# Allegro board trx_layout.brd (continued)
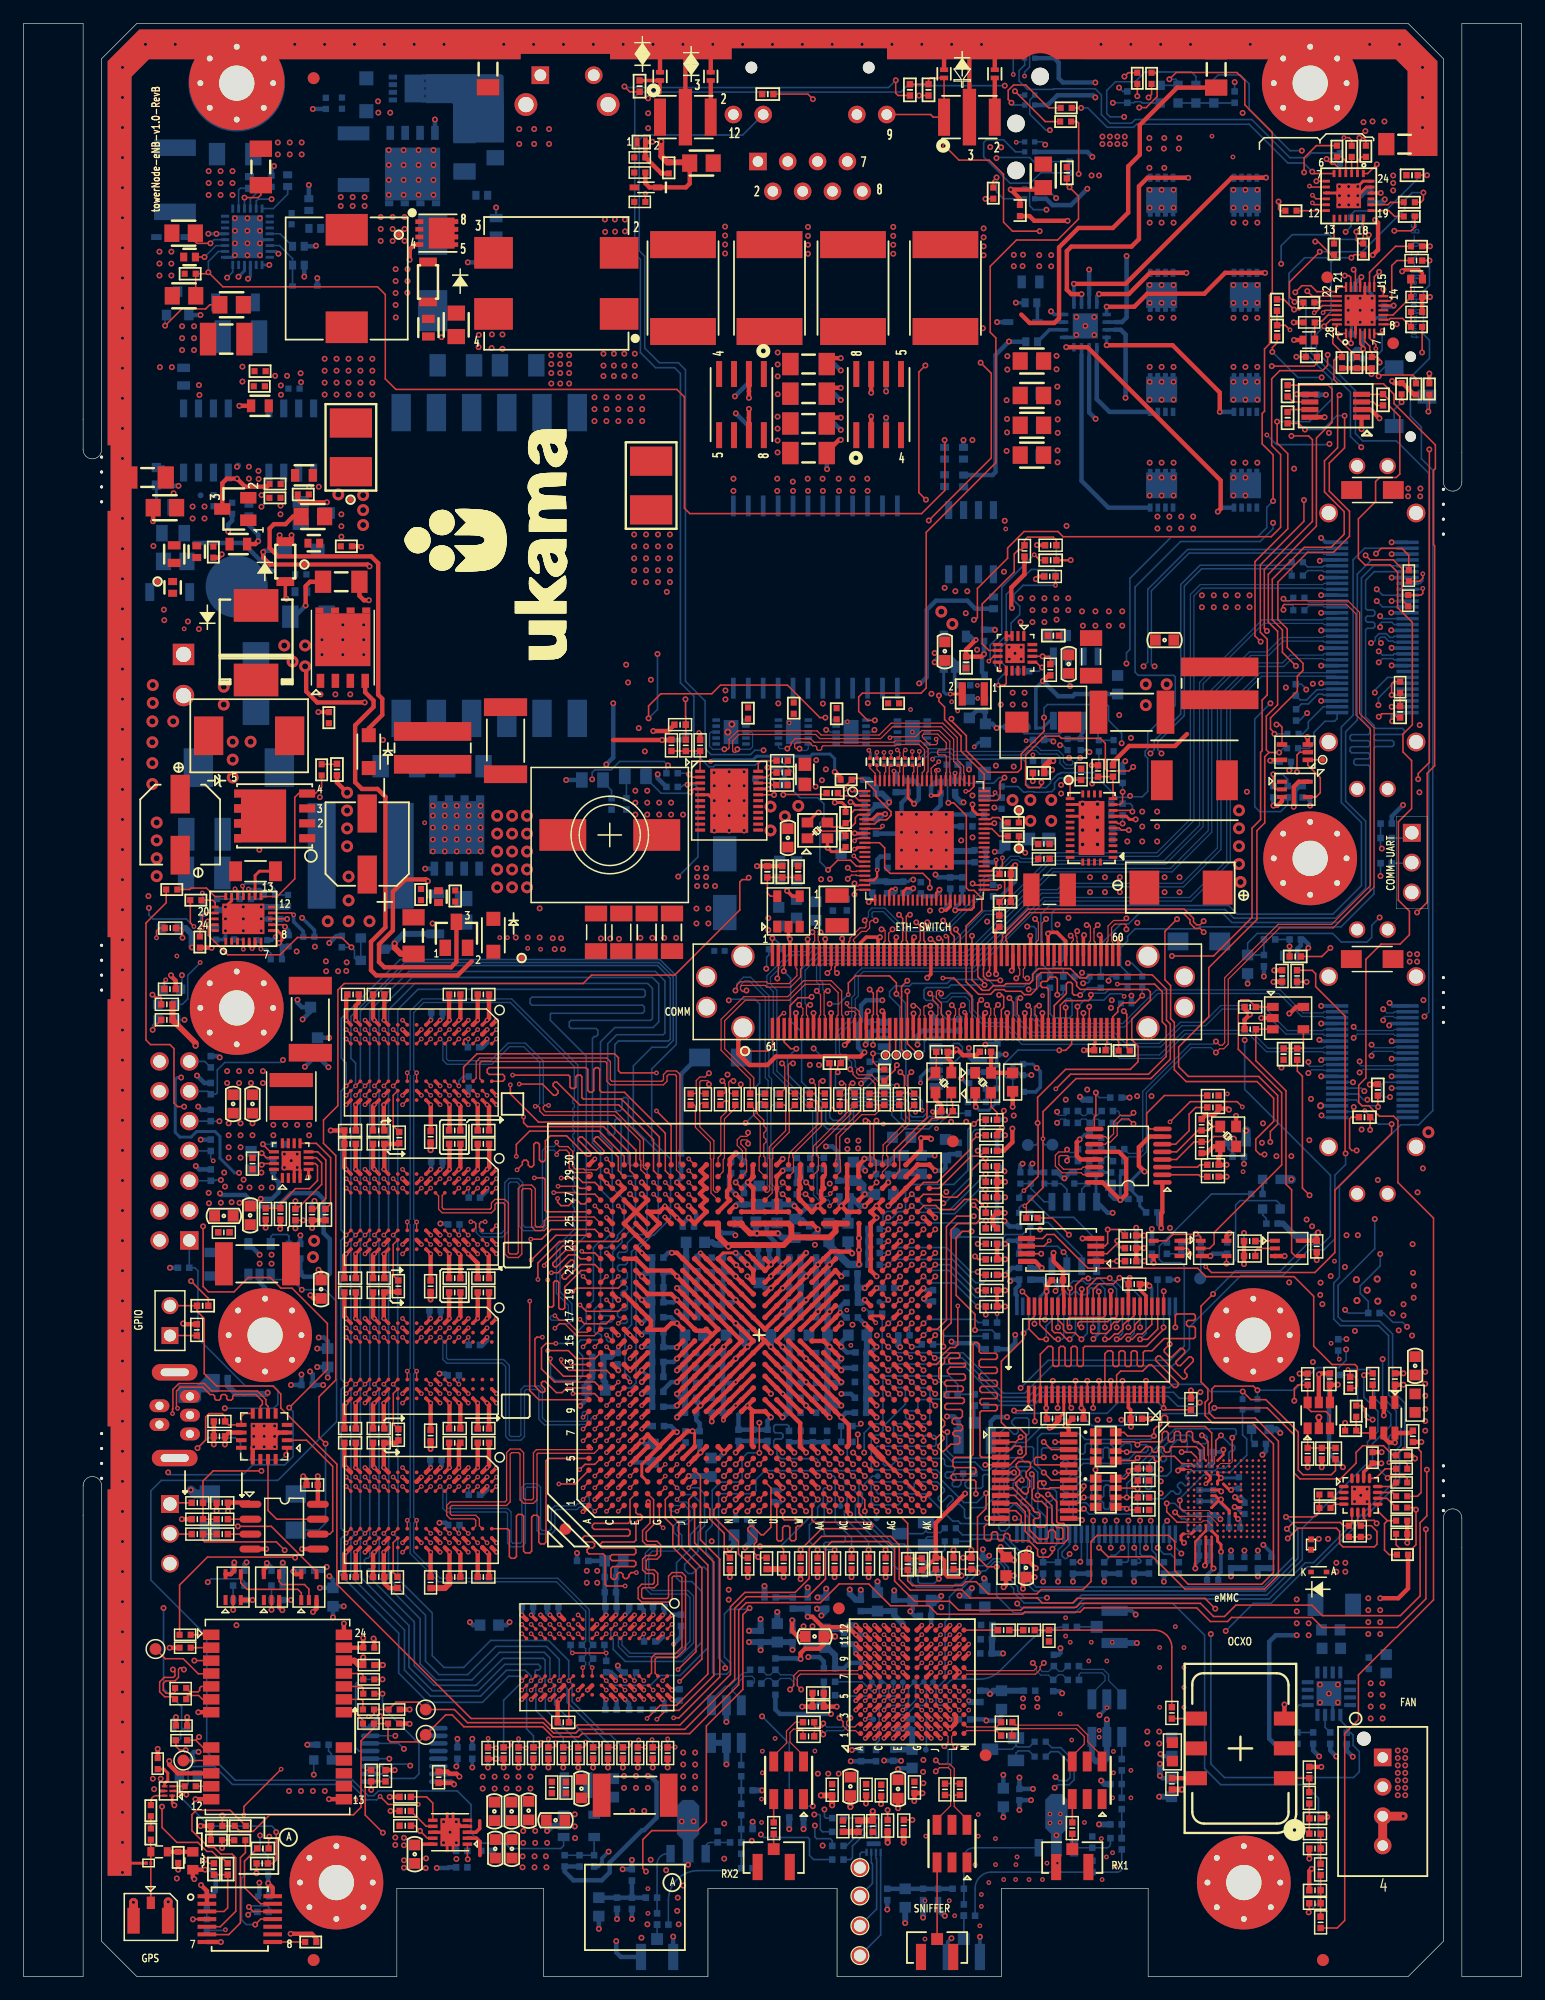
[diagram p0: board, top side]
## Placement (name value [footprint] x y rotation side) (continued)
C203  22uF/10V  [EIA-0603]  93.2 109.99 90 bottom
C204  0.1uF  [EIA-0402]  56.42 106.12 270 bottom
C206  0.1uF  [C0402]  107.5 103.43 0 bottom
C207  OPT  [CC1206]  37.64 103.05 0 bottom
C209  DNP  [EIA-0402]  93.63 102.11 270 bottom
C210  0.1uF  [EIA-0402]  108.97 100.88 270 bottom
C211  1uF  [EIA-0402]  106.47 100.88 270 bottom
C212  22uF  [CC1210]  15.42 97.26 180 bottom
C213  22uF  [CC1210]  15.39 93.96 180 bottom
C214  0.1uF  [EIA-0402]  51.36 99.84 270 bottom
C215  2.2nF  [EIA-0402]  50.09 99.84 270 bottom
C220  2.2uF  [EIA-0402]  93.15 98.87 0 bottom
C222  0.47uF  [EIA-0402]  92.76 97.28 270 bottom
C225  22uF/10V  [EIA-0603]  64.41 94.19 270 bottom
C226  22uF/10V  [EIA-0603]  65.86 94.14 270 bottom
C231  220uF/10V  [ELC-SMD6_3]  59.74 93.09 270 bottom
C235  DNP  [EIA-0402]  108.33 88.3 0 bottom
C236  10UF  [SMC1206]  98.35 88.14 270 bottom
C237  0.1UF  [SMC0402A]  59.73 87.33 90 bottom
C238  10uF  [EIA-0603]  104.28 86.19 270 bottom
C239  10uF  [EIA-0603]  24.45 83.32 270 bottom
C240  0.1UF  [SMC0402A]  93.49 82.85 270 bottom
C241  10uF  [EIA-0603]  25.05 79.15 270 bottom
C242  10UF  [SMC1206]  57.59 78.25 270 bottom
C243  0.1uF  [EIA-0402]  64.22 74.69 270 bottom
C244  0.1uF  [EIA-0402]  62.95 74.69 270 bottom
C245  10nF  [EIA-0402]  89.34 73.69 180 bottom
C246  10nF  [EIA-0402]  89.34 72.68 180 bottom
C247  0.1uF  [EIA-0402]  21.79 70.87 0 bottom
C248  0.1uF  [EIA-0402]  79.66 70.51 270 bottom
C249  10uF  [EIA-0603]  78.54 70.48 270 bottom
C250  10nF  [EIA-0402]  93.29 70.44 0 bottom
C251  0.1uF  [EIA-0402]  56.02 69.61 90 bottom
C252  10uF  [EIA-0603]  19.38 69.47 90 bottom
C253  10nF  [EIA-0402]  93.29 69.42 0 bottom
C254  0.1uF  [EIA-0402]  35.21 69.37 0 bottom
C255  0.1uF  [EIA-0402]  68.18 69.23 270 bottom
C256  0.1uF  [EIA-0402]  67.03 69.23 270 bottom
C257  10uF  [EIA-0603]  74.94 69.12 90 bottom
C258  0.1uF  [EIA-0402]  73.64 68.81 90 bottom
C259  0.1uF  [EIA-0402]  69.4 68.25 90 bottom
C260  10uF  [EIA-0603]  93.38 67.36 0 bottom
C261  10uF  [EIA-0603]  73.31 66.59 0 bottom
C262  10uF  [EIA-0603]  62.67 66.53 90 bottom
C263  0.1uF  [EIA-0402]  69.98 66.42 180 bottom
C264  0.1uF  [EIA-0402]  61.37 66.22 90 bottom
C266  3.3nF  [EIA-0402]  24.56 64.87 90 bottom
C267  DNP  [EIA-0402]  23.16 64.87 270 bottom
C268  10uF  [EIA-0603]  17.07 64.76 0 bottom
C269  0.1uF  [EIA-0402]  56.64 63.86 180 bottom
C270  10uF  [EIA-0603]  65.72 63.71 90 bottom
C271  0.1uF  [EIA-0402]  66.94 63.4 90 bottom
C272  0.1uF  [EIA-0402]  17.07 63.36 0 bottom
C273  10uF  [EIA-0603]  70.24 63.35 270 bottom
C274  0.1uF  [EIA-0402]  59.29 62.82 90 bottom
C275  0.1uF  [EIA-0402]  102.54 62.03 270 bottom
C276  1uF  [EIA-0402]  98.62 62.02 90 bottom
C277  0.1uF  [EIA-0402]  96.13 62.02 90 bottom
C278  0.1uF  [EIA-0402]  63.05 61.98 0 bottom
C279  0.1uF  [EIA-0402]  68 61.22 180 bottom
C280  0.1uF  [EIA-0402]  65.72 61.22 0 bottom
C281  0.1uF  [EIA-0402]  59.11 61.22 180 bottom
C282  0.1uF  [EIA-0402]  56.93 61.22 0 bottom
C283  0.1uF  [EIA-0402]  54.03 61.22 0 bottom
C284  20pF  [EIA-0402]  23.1 61.13 180 bottom
C286  0.1uF  [EIA-0402]  85.3 60.33 180 bottom
C287  0.1uF  [EIA-0402]  56.93 60.05 0 bottom
C288  0.1uF  [EIA-0402]  68 59.95 180 bottom
C289  0.1uF  [EIA-0402]  65.72 59.95 0 bottom
C290  0.1uF  [EIA-0402]  59.11 59.95 180 bottom
C291  0.1uF  [EIA-0402]  54.03 59.95 0 bottom
C292  0.1uF  [EIA-0402]  70.56 59.87 180 bottom
C293  10uF  [EIA-0603]  62.67 59.85 270 bottom
C294  0.1uF  [EIA-0402]  85.3 59.33 0 bottom
C295  0.1uF  [C0402]  87.61 59.11 180 bottom
C296  0.1uF  [EIA-0402]  68 58.68 180 bottom
C297  0.1uF  [EIA-0402]  65.72 58.68 0 bottom
C298  0.1uF  [EIA-0402]  59.11 58.68 180 bottom
C299  0.1uF  [EIA-0402]  54.03 58.68 0 bottom
C302  0.1uF  [EIA-0402]  70.56 58.65 180 bottom
C303  0.1uF  [EIA-0402]  56.93 58.61 0 bottom
C304  0.1uF  [EIA-0402]  77.47 57.96 90 bottom
C305  0.1uF  [EIA-0402]  68 57.41 180 bottom
C306  0.1uF  [EIA-0402]  65.72 57.41 0 bottom
C307  0.1uF  [EIA-0402]  59.11 57.41 180 bottom
C308  0.1uF  [EIA-0402]  56.93 57.41 0 bottom
C309  0.1uF  [EIA-0402]  54.03 57.41 0 bottom
C310  0.1uF  [EIA-0402]  70.6 57.38 180 bottom
C311  0.1uF  [EIA-0402]  35.06 56.72 0 bottom
C312  0.1uF  [EIA-0402]  68 56.14 180 bottom
C313  0.1uF  [EIA-0402]  65.72 56.14 0 bottom
C314  0.1uF  [EIA-0402]  59.11 56.14 180 bottom
C315  0.1uF  [EIA-0402]  56.93 56.14 0 bottom
C316  0.1uF  [EIA-0402]  54.03 56.14 0 bottom
C317  0.1uF  [EIA-0402]  70.6 56.11 180 bottom
C318  0.1uF  [EIA-0402]  54.03 54.87 0 bottom
C319  10uF  [EIA-0603]  64.45 54.65 180 bottom
C320  10uF  [EIA-0603]  71.05 54.61 180 bottom
C321  10uF  [EIA-0603]  67.7 54.61 180 bottom
C322  10uF  [EIA-0603]  60.64 54.61 180 bottom
C323  10uF  [EIA-0603]  57.13 54.61 0 bottom
C324  0.1uF  [EIA-0402]  54.03 53.6 0 bottom
C325  0.1uF  [EIA-0402]  82.45 53.42 180 bottom
C326  0.1uF  [EIA-0402]  71.36 53.14 180 bottom
C327  0.1uF  [EIA-0402]  68 53.09 180 bottom
C328  0.1uF  [EIA-0402]  65.72 53.09 0 bottom
C329  0.1uF  [EIA-0402]  59.11 53.09 180 bottom
C330  0.1uF  [EIA-0402]  56.83 53.09 0 bottom
C331  10uF  [EIA-0603]  25.92 52.68 270 bottom
C332  0.1uF  [EIA-0402]  54.03 52.33 0 bottom
C333  0.1uF  [EIA-0402]  71.31 51.82 180 bottom
C334  0.1uF  [EIA-0402]  68 51.82 180 bottom
C335  0.1uF  [EIA-0402]  65.72 51.82 0 bottom
C336  0.1uF  [EIA-0402]  59.11 51.82 180 bottom
C337  0.1uF  [EIA-0402]  56.83 51.82 0 bottom
C338  0.1uF  [EIA-0402]  48.93 51.49 180 bottom
C339  0.1uF  [EIA-0402]  54.03 51.06 0 bottom
C340  0.1uF  [EIA-0402]  71.31 50.62 180 bottom
C341  0.1uF  [EIA-0402]  68 50.55 180 bottom
C342  0.1uF  [EIA-0402]  65.72 50.55 0 bottom
C343  0.1uF  [EIA-0402]  59.11 50.55 180 bottom
C344  0.1uF  [EIA-0402]  56.83 50.55 0 bottom
C345  10uF  [EIA-0603]  48.78 49.94 180 bottom
C346  0.1uF  [EIA-0402]  54.03 49.79 0 bottom
C347  0.1uF  [EIA-0402]  71.31 49.28 180 bottom
C348  0.1uF  [EIA-0402]  68 49.28 180 bottom
C349  0.1uF  [EIA-0402]  65.72 49.28 0 bottom
C350  0.1uF  [EIA-0402]  59.11 49.28 180 bottom
C351  0.1uF  [EIA-0402]  56.83 49.28 0 bottom
C352  0.1uF  [EIA-0402]  54.03 48.52 0 bottom
C353  0.1uF  [EIA-0402]  71.31 48.01 180 bottom
C354  0.1uF  [EIA-0402]  68 48.01 180 bottom
C355  0.1uF  [EIA-0402]  65.72 48.01 0 bottom
C356  0.1uF  [EIA-0402]  59.11 48.01 180 bottom
C357  0.1uF  [EIA-0402]  56.83 48.01 0 bottom
C358  0.1uF  [EIA-0402]  54.08 46.87 180 bottom
C359  0.1uF  [EIA-0402]  63.38 46.08 90 bottom
C360  0.1uF  [EIA-0402]  62.17 46.08 90 bottom
C361  0.1uF  [EIA-0402]  60.9 46.08 90 bottom
C362  0.1uF  [EIA-0402]  68.46 45.98 90 bottom
C363  0.1uF  [EIA-0402]  67.24 45.98 90 bottom
C364  0.1uF  [EIA-0402]  66.21 45.98 90 bottom
C365  0.1uF  [EIA-0402]  57.6 45.95 90 bottom
C366  0.1uF  [EIA-0402]  56.4 45.95 90 bottom
C367  10uF  [EIA-0603]  53.65 44.55 270 bottom
C368  1UFX_16V  [C0402]  100.82 44.67 0 bottom
C369  0.1uF  [EIA-0402]  35.14 44 0 bottom
C370  0.1uF  [C0402]  100.66 43.54 0 bottom
C371  10uF  [EIA-0603]  58.58 43.36 90 bottom
C372  0.1uF  [C0402]  103.53 42.04 270 bottom
C373  0.1uF  [EIA-0402]  63.95 40.87 90 bottom
C374  0.1uF  [C0402]  101.35 40.94 270 bottom
C375  0.1uF  [C0402]  100.18 40.94 270 bottom
C376  0.1uF  [C0402]  103.18 38.23 180 bottom
C377  0.1uF  [C0402]  104.02 39.86 90 bottom
C378  0.1uF  [EIA-0402]  61.16 38.91 0 bottom
C379  0.1uF  [C0402]  100.61 36.98 0 bottom
C380  10uF  [EIA-0603]  61.32 37.59 0 bottom
C381  0.1uF  [C0402]  101.3 33.76 0 bottom
C382  0.1uF  [C0402]  100.61 35.84 0 bottom
C383  10uF  [EIA-0603]  50.3 35.38 0 bottom
C384  0.1uF  [C0402]  106.29 35.25 270 bottom
C385  0.1uF  [C0402]  105.15 35.25 270 bottom
C386  0.1uF  [C0402]  104 35.25 270 bottom
C387  0.1uF  [C0402]  102.86 35.25 270 bottom
C388  0.1uF  [EIA-0402]  21.61 34.55 0 bottom
C389  0.1uF  [EIA-0402]  18.34 34.55 0 bottom
C390  0.1uF  [EIA-0402]  24.29 34.54 0 bottom
C391  0.1uF  [EIA-0402]  49.99 34.01 0 bottom
C392  0.1uF  [EIA-0402]  49.99 32.72 0 bottom
C393  10uF  [EIA-0603]  76.53 32.02 180 bottom
C394  10uF  [EIA-0603]  26.37 32.31 270 bottom
C395  1uF  [EIA-0402]  63.6 32.28 180 bottom
C396  10uF  [EIA-0603]  81.89 32.26 90 bottom
C397  1uF  [EIA-0402]  18.34 32.06 0 bottom
C398  10uF  [EIA-0603]  72.75 31.9 90 bottom
C399  1000pF  [EIA-0402]  66.8 31.8 270 bottom
C400  100uF/6.3V  [EIA-1206]  111.66 31.65 0 bottom
C401  0.1uF  [EIA-0402]  74.17 31.6 90 bottom
C402  0.1uF  [EIA-0402]  54.11 31.47 0 bottom
C403  0.1uF  [EIA-0402]  52.08 31.47 0 bottom
C404  0.1uF  [EIA-0402]  50.05 31.47 0 bottom
C405  0.1uF  [EIA-0402]  45.09 31.47 0 bottom
C406  0.1uF  [EIA-0402]  42.93 31.47 180 bottom
C407  0.1uF  [EIA-0402]  76.84 30.71 180 bottom
C408  0.1uF  [EIA-0402]  56.01 30.33 270 bottom
C409  1000pF  [EIA-0402]  82.05 29.93 180 bottom
C410  10uF  [EIA-0603]  39.68 29.92 180 bottom
C411  22uF/10V  [EIA-0603]  111.36 29.51 0 bottom
C412  10uF  [EIA-0603]  64.21 29.26 90 bottom
C413  0.1uF  [EIA-0402]  65.51 28.95 90 bottom
C414  10uF  [EIA-0603]  68.28 28.8 90 bottom
C415  0.1uF  [EIA-0402]  69.9 28.79 90 bottom
C416  1000pF  [EIA-0402]  82.02 28.71 180 bottom
C417  22uF/10V  [EIA-0603]  111.41 27.94 0 bottom
C418  0.1uF  [EIA-0402]  81.98 27.51 0 bottom
C419  3.3pF  [EIA-0402]  48.05 27.06 180 bottom
C420  0.1uF  [EIA-0402]  114.6 26.67 90 bottom
C421  10uF  [EIA-0603]  116.08 26.63 90 bottom
C422  33pF  [EIA-0402]  89.43 26.43 180 bottom
C423  0.1uF  [EIA-0402]  49.64 26.39 270 bottom
C424  0.1uF  [EIA-0402]  68.66 26.24 180 bottom
C425  33pF  [EIA-0402]  62.37 26.12 0 bottom
C426  33pF  [EIA-0402]  89.43 25.25 180 bottom
C427  33pF  [EIA-0402]  62.37 24.95 0 bottom
C428  0.1uF  [EIA-0402]  55.89 23.98 270 bottom
C429  0.1uF  [EIA-0402]  81.51 23.85 270 bottom
C430  10uF  [EIA-0603]  83.31 23.55 270 bottom
C431  0.1uF  [EIA-0402]  54.11 22.71 0 bottom
C432  0.1uF  [EIA-0402]  52.08 22.71 180 bottom
C433  0.1uF  [EIA-0402]  50.05 22.71 0 bottom
C434  0.1uF  [EIA-0402]  80.17 21.89 0 bottom
C435  0.1uF  [EIA-0402]  75.69 21.44 90 bottom
C436  10nF  [EIA-0402]  111.32 20.3 90 bottom
C437  10uF  [EIA-0603]  97.82 19.55 270 bottom
C438  0.1uF  [EIA-0402]  38.23 19.03 90 bottom
C439  0.1uF  [EIA-0402]  36.96 19.03 90 bottom
C440  10uF  [EIA-0603]  75.69 18.54 270 bottom
C441  0.1uF  [C0402]  13.92 18.41 180 bottom
C442  100pF  [EIA-0402]  93.56 18.03 90 bottom
C443  100pF  [EIA-0402]  61.15 17.53 90 bottom
C444  DNP  [EIA-0402]  93.08 16.38 180 bottom
C445  10uF  [EIA-0603]  97.8 16.1 270 bottom
C446  10uF  [EIA-0603]  50.25 16.06 270 bottom
C447  DNP  [EIA-0402]  61.63 15.85 0 bottom
C448  10uF  [EIA-0603]  83.47 15.24 270 bottom
C449  10uF  [EIA-0603]  41.59 14.06 270 bottom
C450  10uF  [EIA-0603]  40.11 14.06 270 bottom
C451  DNP  [EIA-0402]  93.08 12.95 180 bottom
C452  DNP  [EIA-0402]  61.63 12.55 0 bottom
C453  0  [EIA-0402]  93.07 11.78 0 bottom
C454  0  [EIA-0402]  60.67 11.41 0 bottom
C455  20pF  [EIA-0402]  47.37 9.84 90 bottom
C456  1000pF  [EIA-0402]  37.34 9.3 180 bottom
C458  100pF  [EIA-0402]  77.9 6.99 90 bottom
C459  0.1uF  [EIA-0402]  76.63 6.99 90 bottom
C461  10uF  [EIA-0603]  75.11 6.68 270 bottom
C462  0.1uF  [EIA-0402]  51.83 6.23 90 bottom
C463  100pF  [EIA-0402]  50.56 6.23 90 bottom
C464  10uF  [EIA-0603]  49.01 5.93 270 bottom
C465  33pF  [EIA-0402]  80.1 5.66 90 bottom
C466  33pF  [EIA-0402]  53.97 4.9 90 bottom
C600  20pF  [EIA-0402]  64.64 94.07 270 top
C601  10uF  [EIA-0603]  64.34 90.24 90 bottom
C602  10uF  [EIA-0603]  67.51 90.73 270 bottom
C603  10uF  [EIA-0603]  65.86 90.92 270 bottom
C604  0.1uF  [EIA-0402]  68.95 91.25 270 bottom
C605  0.1uF  [EIA-0402]  70.14 91.26 270 bottom
C606  0.1uF  [CC0402]  20.46 6.82 0 bottom
C607  1uF  [CC0402]  114.73 151.47 270 bottom
C608  100nF  [C0201]  75.71 103.44 90 top
C609  100nF  [C0201]  73.9 103.44 90 top
C610  100nF  [C0201]  76.31 103.44 90 top
C611  100nF  [C0201]  74.5 103.44 90 top
C612  100nF  [C0201]  72.1 103.44 90 top
C613  100nF  [C0201]  72.7 103.44 90 top
C614  100nF  [C0201]  75.1 103.44 90 top
C615  100nF  [C0201]  73.3 103.44 90 top
C616  27pF  [C0402]  70.03 98.68 90 top
C617  27pF  [C0402]  70.03 96.65 270 top
C618  1uF  [EIA-0402]  73.6 94.87 270 bottom
C619  0.1uF  [EIA-0402]  72.14 99.72 0 bottom
C620  10uF  [EIA-0603]  65.61 101.62 180 bottom
C621  0.1uF  [EIA-0402]  73.57 92.71 90 bottom
C622  0.1uF  [EIA-0402]  75.32 101.33 270 bottom
C623  0.1uF  [EIA-0402]  76.43 92.7 90 bottom
C624  10uF  [EIA-0603]  83.6 97.1 270 bottom
C625  0.1uF  [EIA-0402]  81.5 94.88 180 bottom
C626  0.1uF  [EIA-0402]  74.95 92.74 90 bottom
C627  0.1uF  [EIA-0402]  78.12 101.23 270 bottom
C628  1uF  [EIA-0402]  79.97 93.11 90 bottom
C629  0.1uF  [EIA-0402]  72.14 97.32 0 bottom
C630  10uF  [EIA-0603]  69.65 96.39 270 bottom
C631  0.1uF  [EIA-0402]  81.35 98.94 180 bottom
C632  0.1uF  [EIA-0402]  72.3 92.77 90 bottom
C633  0.1uF  [EIA-0402]  79.36 101.33 270 bottom
C634  0.1uF  [EIA-0402]  80.18 109.95 180 bottom
C635  10uF  [EIA-0603]  81.95 105.87 90 bottom
C636  10uF  [EIA-0603]  78.48 112.85 270 top
C637  20pF  [EIA-0402]  80.29 111.9 90 top
C638  0.1uF  [EIA-0402]  81.9 108.27 270 bottom
C639  10uF  [EIA-0603]  80.57 107.95 270 bottom
C640  0.1uF  [EIA-0402]  80.36 97.93 180 bottom
C641  0.1uF  [EIA-0402]  81.49 95.89 180 bottom
C642  1uF  [EIA-0402]  74.3 101.32 270 bottom
C643  0.1uF  [EIA-0402]  78.94 93.11 90 bottom
C644  0.1uF  [EIA-0402]  72.19 98.55 180 bottom
C645  1uF  [C0402]  17.94 88.77 90 bottom
C646  1uF  [C0402]  16.41 88.76 270 bottom
C647  1uF  [C0402]  22.6 88.19 270 bottom
C648  0.01uF  [C0402]  26.01 107.19 90 top
C649  47uF  [CAPAE680X570]  29.28 96.43 90 top
C650  0.1uF  [C0402]  85.14 77.22 270 bottom
C651  0.1uF  [C0402]  82.98 78.97 90 bottom
C652  0.1uF  [C0201]  85.94 106.31 0 bottom
C653  DNP  [EIA-0402]  26.7 102.77 270 top
C654  1000pF  [EIA-0402]  27.12 88.12 270 bottom
C655  DNP  [EIA-0402]  93.56 11.3 90 bottom
C656  DNP  [EIA-0402]  80.58 5.18 0 bottom
C657  DNP  [EIA-0402]  61.15 10.93 90 bottom
C658  DNP  [EIA-0402]  54.45 4.42 0 bottom
CON1  RECE.20279.001E.01  [SM_3_CON_I-PEX_20279_50H]  10.85 4.62 180 top
D1  PESD3V3X1BL,315  [DFN98X58X50-2N_NXP]  78.42 162 90 top
D2  PESD3V3X1BL,315  [DFN98X58X50-2N_NXP]  82.74 162 90 top
D3  PESD3V3X1BL,315  [DFN98X58X50-2N_NXP]  54.22 161.79 90 top
D4  PESD3V3X1BL,315  [DFN98X58X50-2N_NXP]  58.54 161.78 90 top
D5  PESD3V3X1BL,315  [SOD882_2P_0_62X1_02_0_50MM]  52.63 156.2 0 top
D6  RB751S40T5G  [SOD523F_2P_1_30X0_90_0_70MM]  53.03 152.34 180 top
D7  PTVS58VS1UR  [SOD123]  34.46 144.28 0 top
D8  ZR431F01TA  [SOT23]  18.05 124.95 90 top
D9  CMHZ4700  [SOD123]  22.3 120.47 0 top
D12  PMEG6010ER  [SOD123F_2P8_1P95X2P95_1P1]  29.41 104.29 270 top
D13  CMMSH1-100  [SOD123F_2P8_1P95X2P95_1P1]  40.03 88.66 270 top
D14  RB751S40  [SODFL1608X70N_B]  110.34 34.44 180 top
D15  ESD101B102ELSE6327XTSA1  [ESD_DIO_2P_0_67X0_37_0_32MM]  10.66 9.65 270 top
D16  CMMSH1-40L  [SOD123F_2P8_1P95X2P95_1P1]  29.21 160.22 90 bottom
D17  BAV19WS  [SOD2513X110N_A]  12.57 148.11 180 bottom
D18  BAT54WS  [SOD323_2P11_1P8X1P4]  23.97 143.94 0 bottom
D19  PTVS58VS1UR  [SOD123]  18.06 142.54 90 bottom
D20  MMSZ5252BS-7-F  [SOD2513X120N_A]  85.12 140.87 0 bottom
D21  CMMSH1-100  [SOD123F_2P8_1P95X2P95_1P1]  23.66 121.4 180 bottom
D22  CMHZ5236B  [SOD123]  12.46 117.88 90 bottom
D24  LED/DNP  [LED_LTST-C190]  11.32 127.73 90 bottom
D26  CMHZ5236B  [SOD123]  35.08 90.47 180 bottom
D27  B530C-13-F  [B530C_13_F]  18.35 102.93 180 bottom
D28  SMBJ16CA  [DIOM5436X261N_LF_BI]  19.8 110.09 270 bottom
D29  B530C-13-F  [B530C_13_F]  19.23 105.65 0 top
E1  PAD150-094  [SMD20-A]  15.09 126.12 180 bottom
F1  0ZCF0100AF2A  [FUSER_0ZCF0100AF2A]  56.18 143.76 270 top
F2  0ZCF0100AF2A  [FUSER_0ZCF0100AF2A]  63.55 143.76 270 top
F3  0ZCF0100AF2A  [FUSER_0ZCF0100AF2A]  70.66 143.76 90 top
F4  0ZCF0100AF2A  [FUSER_0ZCF0100AF2A]  78.54 143.76 270 top
F5  0ZCM0010FF2G  [F0603]  11.55 10.62 180 top
F6  0ZCF0100AF2A  [FUSER_0ZCF0100AF2A]  78.54 143.76 90 bottom
F7  0ZCF0100AF2A  [FUSER_0ZCF0100AF2A]  70.66 143.76 90 bottom
F8  0ZCF0100AF2A  [FUSER_0ZCF0100AF2A]  63.55 143.76 90 bottom
F9  0ZCF0100AF2A  [FUSER_0ZCF0100AF2A]  56.18 143.76 90 bottom
FB1  120E / 2A  [SM_2_IND_BLM18P_40H]  14.43 9.86 270 top
FB4  120E / 2A  [SM_2_IND_BLM18P_40H]  14.05 17.09 0 bottom
FB18  33E  [INDC1608X95M]  66.57 102.35 90 top
FB19  33E  [INDC1608X95M]  86.48 96.85 0 bottom
FB20  33E  [INDC1608X95M]  81.87 101.57 90 bottom
H1  HOLE-3.5MM  [HOLE-1]  18.17 161.21 0 top
H2  HOLE-3.5MM  [HOLE-1]  109.61 161.21 0 top
H3  HOLE-3.5MM  [HOLE-1]  109.61 95.21 0 top
H4  HOLE-3.5MM  [HOLE-1]  18.17 82.47 0 top
H5  HOLE-3.5MM  [HOLE-1]  20.58 54.61 0 top
H6  HOLE-3.5MM  [HOLE-1]  104.76 54.61 0 top
H7  HOLE-3.5MM  [HOLE-1]  26.65 8 0 top
H8  HOLE-3.5MM  [HOLE-1]  103.95 8 0 top
J1  HEADER 4  [MOLEX_2078430004]  115.78 14.9 90 top
J3  HEADER 3X1-2.54mm/DNP  [SIP-3P]  118.27 94.84 270 top
J4  FX23-120P_COM  [CON_120P_39_00X9_02_13_01MM_SOC]  78.54 83.83 90 top
J5  HEADER 7X2  [HDR7X2]  14.13 62.67 90 top
J6  HEADER 2X1-2.54MM  [SIP-2P]  12.48 54.58 90 top
J7  MINI-USB TYPE A/B CON  [MOLEX_5000751517]  14.18 49.4 270 bottom
J8  HEADER 3X1-2.54mm/DNP  [SIP-3P]  12.48 37.69 270 bottom
J9  U.FL  [CON-HRS-UFL]  63.91 10.85 180 top
J10  U.FL  [CON-HRS-UFL]  89.34 10.85 180 top
J11  U.FL  [CON-HRS-UFL]  77.83 3.19 180 top
J12  RJ45_CONN  [AMPHENOL_MRJ-5384-M1]  62.56 154.54 0 bottom
J13  FX23-60P_DEBUG  [CON_60P_29_00X9_02_13_01MM_P]  114.9 109.86 180 bottom
J16  FX23L-40-P-0.5SV10  [CON_40P_24_05X9_02_13_01MM_P]  114.9 77.89 180 bottom
J17  U.FL  [CON-HRS-UFL]  81.03 47.15 0 bottom
J18  U.FL  [CON-HRS-UFL]  91.42 29.77 90 bottom
J19  U.FL  [CON-HRS-UFL]  80.1 3.19 0 bottom
J20  U.FL  [CON-HRS-UFL]  53.97 3.19 0 bottom
J21  0395011002  [CONN_3P5_8P4X6P9_9P2_2N]  13.63 112.57 270 bottom
L1  4.7uH  [IND_B82464G4472M000]  27.53 144.58 270 top
L2  ACM1211-102-2PL-TL01  [FIL_ACM1211-102-2PL]  45.39 144.16 180 top
L3  1.5uH/5A  [D53LC]  86.87 106.8 0 top
L7  2.2uH  [IND_5P55_7P4X6P8_5P00]  99.75 101.85 0 top
L8  0.44uH  [L-1260X1260X600-2N]  49.94 97.2 270 top
L9  60OHM@100MHZ  [EIA-L0603]  84.26 76.16 270 top
L10  1.5uH/3A  [IND_VLCF4020]  22.81 74.93 90 top
L11  60OHM@100MHZ  [EIA-L0603]  118.54 48.82 90 top
L12  60OHM@100MHZ  [EIA-L0603]  83.69 34.92 90 top
L13  60OHM@100MHZ  [EIA-L0603]  97.87 19.13 90 top
L14  MPZ1005S121C  [EIA-0402]  75.9 16.1 90 top
L15  MPZ1005S121C  [EIA-0402]  68.89 15.9 90 top
L16  8.7nH  [INDC0402]  10.85 14.12 90 top
L17  100uH  [IND_DO1608C-104MLB]  12.9 152.98 270 bottom
L18  8.2uH  [IND_6P65_10P5X11P8_10P0]  28.73 95.43 180 bottom
L20  60OHM@100MHZ  [EIA-L0603]  74.81 71.45 180 bottom
L21  60OHM@100MHZ  [EIA-L0603]  76.49 69.12 90 bottom
L22  60OHM@100MHZ  [EIA-L0603]  70.68 68.56 90 bottom
L23  60OHM@100MHZ  [EIA-L0603]  64.19 64.95 270 bottom
L24  60OHM@100MHZ  [EIA-L0603]  61.6 64.24 180 bottom
L25  60OHM@100MHZ  [EIA-L0603]  68.61 63.35 270 bottom
L26  60OHM@100MHZ  [EIA-L0603]  57.23 62.51 180 bottom
L27  4.7uH/1.4A  [IND-2520]  16.52 60.65 270 bottom
L28  MPZ1005S121C  [EIA-0402]  81.23 35.65 180 bottom
L29  MPZ1005S121C  [EIA-0402]  80.47 31.95 270 bottom
L30  MPZ1005S121C  [EIA-0402]  68.38 31.8 270 bottom
L31  MPZ1005S121C  [EIA-0402]  71.33 31.6 270 bottom
L32  MPZ1005S121C  [EIA-0402]  62.79 28.96 270 bottom
L33  MPZ1005S121C  [EIA-0402]  66.73 28.5 270 bottom
L34  100nH  [EIA-0402]  87.77 26.91 90 bottom
L35  100nH  [EIA-0402]  64.05 26.6 90 bottom
L36  100nH  [EIA-0402]  87.72 24.77 270 bottom
L37  100nH  [EIA-0402]  64.05 24.47 270 bottom
L38  MPZ1005S121C  [EIA-0402]  85.7 24.33 180 bottom
L39  MPZ1005S121C  [EIA-0402]  74.09 18.85 90 bottom
L40  4.7uH/1.4A  [IND-2520]  47.08 16.29 180 bottom
L41  MPZ1005S121C  [EIA-0402]  84.84 15.49 90 bottom
L42  MPZ1005S121C  [EIA-0402]  93.56 14.73 270 bottom
L43  MPZ1005S121C  [EIA-0402]  61.15 14.22 270 bottom
L44  MPZ1005S121C  [EIA-0402]  51.83 8.65 90 bottom
L45  3.3nH  [EIA-0402]  79.62 7.47 180 bottom
L46  MPZ1005S121C  [EIA-0402]  73.58 6.99 270 bottom
L47  3.3nH  [EIA-0402]  53.49 6.71 180 bottom
L48  10uH/0.7A  [INDP290X270X170]  69.3 90.77 270 top
L50  6.8uH/1A  [IND270X220X120]  80.91 109.21 180 top
LED2  Blue/DNP  [LED-0603-12]  103.41 71.07 270 bottom
LED3  Blue  [LED-0603-12]  106.3 67.87 270 bottom
LED4  Red  [LED-0603-12]  106.3 65.35 270 bottom
LED5  GREEN  [LED-0603-12]  25.48 18.44 270 bottom
LED6  GREEN  [LED-0603-12]  105.36 46.59 270 bottom
LED7  Blue  [LED-0603-12]  12.64 84.07 270 bottom
LED8  Blue  [LED-0603-12]  12.2 82.77 270 bottom
LED9  Blue  [LED-0603-12]  12.22 81.46 270 bottom
LED10  GREEN  [LED-0603-12]  12.5 89.27 270 bottom
LED11  5977717507F  [LED_5977717507F]  85.71 157.78 270 bottom
LED19  GREEN  [LED-0603-12]  96.82 160.27 180 bottom
LED20  GREEN  [LED-0603-12]  98.35 160.27 180 bottom
LED21  GREEN  [LED-0603-12]  101.4 160.27 180 bottom
LED22  GREEN  [LED-0603-12]  99.87 160.27 180 bottom
LIP1  E-SMT-060  [SMD20-A]  27.86 125.74 0 top
LIP2  E-SMT-060  [SMD20-A]  11.42 118.78 0 top
NOREF  -  [unnamed]  120.95 83.15 90 top
NOREF#2  -  [#2]  31.8 0 0 top
NOREF#3  -  [unnamed]  6.65 127.47 270 top
NOREF#4  -  [unnamed]  6.65 85.9 270 top
NOREF#5  -  [#2]  6.65 163.29 0 top
NOREF#6  -  [unnamed]  6.65 44.32 270 top
NOREF#7  -  [unnamed#3]  24.72 1.4 0 top
NOREF#8  -  [unnamed]  120.95 41.57 90 top
NOREF#9  -  [unnamed]  120.95 124.72 90 top
NOREF#10  -  [unnamed#3]  24.72 161.64 0 top
NOREF#11  -  [#2]  83.3 0 0 top
NOREF#12  -  [unnamed#3]  110.69 1.4 0 top
NOREF#13  -  [#2]  9.65 0 90 top
NOREF#14  -  [unnamed#3]  110.69 1.4 180 bottom
NOREF#15  -  [unnamed#4]  84.54 153.78 90 bottom
NOREF#16  -  [unnamed#3]  24.72 161.64 180 bottom
NOREF#17  -  [unnamed#2]  18.17 118.34 180 bottom
NOREF#18  -  [unnamed#3]  24.72 1.4 180 bottom
NR1  100K  [CA_3_20X1_60_0_50MM]  92.19 45.13 0 top
NR2  100K  [CA_3_20X1_60_0_50MM]  92.19 41.19 0 top
Q1  CSD17556Q5B  [VSON127P610X510X105-8N]  21.4 98.82 180 top
Q6  TPN3300ANH,LQ  [MOSFET_TPN3300ANH]  35.3 148.44 0 top
Q11  BSC123N08NS3 G  [TRANS_BSC030P03NS3GAUMA1]  27.2 113.15 90 top
Q12  FMMT624  [SOT23]  36.88 88.7 0 top
Q14  TPN3300ANH,LQ  [TRANS_FDMC86102L]  32.87 160.76 0 bottom
Q16  BSC190N15NS3  [SON127P590X515X110-9N]  33.15 154.15 270 bottom
Q18  CSD18540Q5BT  [MOSFET_TPN3300ANH]  104.09 151.59 270 bottom
Q19  CSD18540Q5BT  [MOSFET_TPN3300ANH]  96.95 151.59 270 bottom
Q21  CSD18540Q5BT  [MOSFET_TPN3300ANH]  104.09 143.48 270 bottom
Q22  CSD18540Q5BT  [MOSFET_TPN3300ANH]  96.95 143.48 270 bottom
Q23  FMMT723  [SOT92P240X110-3N]  13.13 142.47 180 bottom
Q24  CSD18540Q5BT  [MOSFET_TPN3300ANH]  104.09 134.8 90 bottom
Q25  CSD18540Q5BT  [MOSFET_TPN3300ANH]  96.95 134.8 90 bottom
Q26  CSD18540Q5BT  [MOSFET_TPN3300ANH]  104.09 126.64 90 bottom
Q27  CSD18540Q5BT  [MOSFET_TPN3300ANH]  96.95 126.64 90 bottom
Q28  MMBT3904  [SOT23]  24.73 124.61 90 bottom
Q29  FMMT624  [SOT23]  12.74 123.99 180 bottom
Q30  BSC123N08NS3 G  [TRANS_BSC030P03NS3GAUMA1]  36.91 97.16 90 bottom
Q31  MMBT3904  [SOT23]  75.78 37.71 270 bottom
Q32  MMBT3904  [SOT23]  83.44 19.35 270 bottom
Q34  -  [SOT23_95P300X100X110]  29.73 87.47 90 bottom
R1  10K  [EIA-0402]  107.34 78.53 90 top
R2  0Ohm  [R0402]  108.51 120.42 0 bottom
R2N1  0  [SMR0402A]  105.12 49.16 180 bottom
R2N2  0  [SMR0402A]  103.85 49.16 180 bottom
R3  0Ohm  [R0402]  108.51 119.28 0 bottom
R4  0 OHM  [R0402]  113.06 46.48 180 top
R5  0Ohm/DNP  [R0402]  93.76 78.84 0 top
R6  0Ohm/DNP  [R0402]  113.53 48.14 90 top
R7  0  [EIA-0402]  15.27 57.12 180 top
R8  0/DNP  [EIA-0402]  108.51 78.54 270 top
R9  0  [EIA-0402]  114.23 73.17 0 top
R10  0  [EIA-0402]  108.33 86.85 180 top
R11  10K  [EIA-0402]  115.37 75.49 90 top
R16  120/DNP  [RC0805]  57.75 154.41 180 top
R18  10K  [R0402]  52.5 153.6 180 top
R19  120/DNP  [RC0805]  86.87 153.31 270 top
R22  0 OHM  [R0402]  52.5 151.1 0 top
R27  52.3  [RC0805]  13.64 148.44 0 top
R29  118  [RC0402]  14.15 146.41 0 top
R32  52.3k/DNP  [RC0805]  13.67 143.1 0 top
R33  20  [RC0805]  17.73 142.34 180 top
R35  8.2  [RC0805]  36.86 140.63 270 top
R38  1M  [RC1206]  66.88 137.3 0 top
R39  10K/DNP  [RC0402]  118.67 144.53 0 top
R40  100k  [R0402]  20.09 135.4 0 top
R41  0 OHM  [R0402]  109.5 142.54 180 top
R42  1M  [RC1206]  66.88 134.77 0 top
R43  10K  [R0402]  118.67 143 180 top
R44  750  [RC0603]  20.14 133.74 180 top
R45  10K  [R0402]  109.52 140.84 0 top
R46  10K/DNP  [R0402]  118.67 141.73 180 top
R47  1M  [RC1206]  66.88 132.23 180 top
R48  10K/DNP  [RC0402]  109.5 139.34 180 top
R49  1M  [RC1206]  66.88 129.72 180 top
R50  OPT  [RC0603]  23.89 127.82 180 top
R51  10K  [R0402]  21.43 127.08 0 top
R52  820  [R0402]  21.42 125.9 180 top
R53  10  [RC0805]  24.65 124.31 180 top
R54  13K  [RC0402]  24.73 122.04 0 top
R55  38.3K  [RC0402]  14.76 121.32 90 top
R56  10.0K  [R0402]  16.17 121.28 270 top
R57  0E  [R0402]  118.01 119.28 270 top
R58  0  [RC0402]  12.71 118.28 270 top
R59  OPT  [RC1206]  27.07 118.76 180 top
R60  0E  [R0402]  117.96 117.14 90 top
R61  68K/1%  [EIA-0402]  85.27 121.38 270 top
R62  15K/1%  [EIA-0402]  87.5 121.87 0 top
R63  180K/1%  [EIA-0402]  87.44 119.26 0 bottom
R64  10K  [EIA-0402]  87.47 111.26 90 top
R65  0 E  [RCL1225]  101.9 110.11 90 top
R66  0E  [R0402]  117.27 109.78 90 top
R67  0 E  [R2512]  94.43 107.65 0 top
R68  3.01K/1%  [EIA-0402]  55.93 106.59 0 top
R69  8.45K/1%  [EIA-0402]  55.2 104.83 90 top
R70  10K/1%  [EIA-0402]  57.64 104.83 270 top
R71  0 E  [R2512]  41.07 105.23 270 top
R72  0 E  [RCL1225]  34.86 104.61 270 top
R73  187K/1%  [EIA-0402]  64.63 103.53 0 top
R74  24.9K/1%  [EIA-0402]  91.54 102.65 270 top
R75  100K/1%  [EIA-0402]  92.81 102.64 90 top
R76  10K  [EIA-0402]  90.09 102.36 270 top
R78  100K  [EIA-0402]  64.63 102.51 0 top
R87  200K  [EIA-0402]  64.61 101.45 0 top
R90  2.2K  [RC0805]  12.05 125.06 180 top
R95  1K  [EIA-0402]  103.48 69.8 0 bottom
R97  1K  [EIA-0402]  105.07 66.62 180 bottom
R99  5.1K  [RC0402]  35.36 91.95 90 top
R101  1K  [EIA-0402]  106.35 64.11 0 bottom
R102  10K  [EIA-0402]  79.73 81.02 270 bottom
R103  330  [EIA-0402]  25.5 19.74 0 bottom
R104  7.5  [RC1206]  33.23 88.63 90 top
R106  1K  [EIA-0402]  105.36 45.35 180 bottom
R107  330  [EIA-0402]  12.48 84.07 0 top
R108  0  [EIA-0402]  108.49 85.19 270 top
R109  330  [EIA-0402]  12.21 82.77 0 top
R110  10K  [EIA-0402]  104.5 82.55 180 top
R111  330  [EIA-0402]  12.21 81.46 0 top
R112  0 E  [R2512]  24.43 81.51 90 top
R113  10K  [EIA-0402]  104.5 80.65 180 top
R114  330  [EIA-0402]  12.5 89.27 0 top
R115  10K  [EIA-0402]  91.7 78.87 180 top
R116  10K  [EIA-0402]  101.32 75.01 180 top
R117  475/1%  [EIA-0402]  93.06 74.84 0 bottom
R118  DNP  [EIA-0402]  69.53 74.69 270 top
R119  DNP  [EIA-0402]  70.8 74.69 270 top
R120  0  [EIA-0402]  74.61 74.69 270 top
R121  0  [EIA-0402]  75.88 74.69 270 top
R122  DNP  [EIA-0402]  101.32 74 180 top
R124  33  [EIA-0402]  82.45 72.95 180 top
R125  10K/DNP  [EIA-0402]  82.45 71.63 180 top
R126  240/1%  [EIA-0402]  32.01 71.43 90 top
R127  10K  [EIA-0402]  82.45 70.31 180 top
R128  10K  [EIA-0402]  101.32 69.12 180 top
R129  10K  [EIA-0402]  82.45 68.99 180 top
R130  10K  [EIA-0402]  101.32 68.1 180 top
R131  10K/DNP  [EIA-0402]  82.45 67.67 180 top
R132  DNP  [EIA-0402]  96.11 65.06 0 bottom
R133  10K/DNP  [EIA-0402]  82.45 66.34 180 top
R134  10K  [EIA-0402]  82.45 65.02 180 top
R135  6.34K/1%  [EIA-0402]  21.89 64.93 270 top
R136  10K/1%  [EIA-0402]  20.63 64.93 90 top
R137  7.68K/1%  [EIA-0402]  23.16 64.87 270 top
R138  180K/1%  [EIA-0402]  24.59 64.87 90 top
R139  10K  [EIA-0402]  82.45 63.7 180 top
R140  10K/DNP  [EIA-0402]  94.31 63.09 180 top
R141  10K  [EIA-0402]  104.45 62.62 180 top
R142  10K  [EIA-0402]  82.45 62.38 180 top
R145  10K  [EIA-0402]  94.31 62.02 180 top
R146  10K  [EIA-0402]  104.45 61.35 180 top
R147  10K  [EIA-0402]  82.45 61.06 180 top
R148  10K/DNP  [EIA-0402]  94.31 60.91 180 top
R149  0 E  [R2512]  19.93 60.68 0 top
R150  1K/DNP  [EIA-0402]  82.45 59.74 0 top
R151  240/1%  [EIA-0402]  31.94 58.78 90 top
R152  1K  [EIA-0402]  82.45 58.42 180 top
R153  1K  [EIA-0402]  82.45 57.05 180 top
R154  10K  [EIA-0402]  14.76 55.06 90 top
R159  10K  [EIA-0402]  111.29 50.87 270 top
R160  0  [EIA-0402]  114.93 50.87 90 top
R161  10K  [EIA-0402]  109.39 50.85 90 top
R162  10K  [EIA-0402]  99.45 48.74 270 top
R163  240/1%  [EIA-0402]  31.94 46.13 90 top
R164  10K  [EIA-0402]  109.39 44.52 90 top
R165  10K/DNP  [EIA-0402]  110.59 44.52 90 top
R166  0  [EIA-0402]  111.76 44.52 90 top
R167  10K  [R0402]  117.38 44.37 180 top
R168  10K  [EIA-0402]  95.41 43.25 0 top
R169  0E  [R0402]  117.4 43.23 0 top
R170  10K  [EIA-0402]  95.41 42.23 0 top
R171  0E  [R0402]  117.4 42.06 0 top
R172  0E  [R0402]  110.87 41.04 0 top
R173  0E  [R0402]  117.4 40.89 0 top
R174  10K  [EIA-0402]  95.41 40.78 0 top
R175  33  [EIA-0402]  14.81 40.34 0 top
R176  0E  [R0402]  117.4 39.93 180 top
R177  0E  [R0402]  110.87 39.9 0 top
R178  10K  [EIA-0402]  95.4 39.73 0 top
R179  4.7K  [EIA-0402]  14.81 38.94 0 top
R180  0  [EIA-0402]  16.93 38.94 0 top
R181  10K  [R0402]  117.4 38.81 0 top
R182  10K  [R0402]  117.4 37.69 180 top
R183  33  [EIA-0402]  14.81 37.67 0 top
R184  0  [EIA-0402]  16.93 37.67 0 top
R185  1K  [SMR0402A]  109.68 37.22 0 top
R188  4.7K  [EIA-0402]  80.75 35.17 270 top
R189  240/1%  [EIA-0402]  60.18 35.17 90 top
R190  240/1%  [EIA-0402]  61.7 35.17 90 top
R191  4.7K  [EIA-0402]  63.3 35.17 90 top
R192  4.7K  [EIA-0402]  64.75 35.17 90 top
R193  4.7K  [EIA-0402]  66.2 35.17 90 top
R194  1K  [EIA-0402]  67.65 35.17 90 top
R195  4.7K  [EIA-0402]  69.09 35.17 90 top
R196  1K  [EIA-0402]  70.54 35.17 90 top
R197  1K  [EIA-0402]  71.99 35.17 90 top
R198  1K  [EIA-0402]  73.44 35.17 90 top
R199  0  [EIA-0402]  77.7 35.17 270 top
R200  240/1%  [EIA-0402]  31.86 33.56 90 top
R201  0  [EIA-0402]  85.65 29.5 180 top
R202  0Ohm/DNP  [R0402]  13.77 29.1 180 top
R203  330  [EIA-0402]  87.36 29.01 270 top
R204  10K/DNP  [R0402]  13.77 28 0 top
R205  0Ohm  [R0402]  29.42 25.3 180 top
R206  0Ohm  [R0402]  13.39 24.56 180 top
R207  0Ohm  [R0402]  29.42 24.08 180 top
R208  0Ohm  [R0402]  13.39 23.61 180 top
R209  0Ohm  [R0402]  29.39 22.73 180 top
R210  10K/DNP  [R0402]  31.57 22.73 180 top
R211  300  [EIA-0402]  97.82 22.44 90 top
R212  0Ohm  [R0402]  29.39 21.54 180 top
R213  10K/DNP  [R0402]  31.52 21.54 180 top
R214  240/1%  [EIA-0402]  45.98 21.64 0 top
R215  0Ohm/DNP  [R0402]  13.46 20.12 180 top
R216  36/1%  [EIA-0402]  39.57 19.03 270 top
R217  36/1%  [EIA-0402]  40.9 19.03 270 top
R218  36/1%  [EIA-0402]  42.17 19.03 270 top
R219  36/1%  [EIA-0402]  43.44 19.03 270 top
R220  36/1%  [EIA-0402]  44.71 19.03 270 top
R221  36/1%  [EIA-0402]  45.98 19.03 270 top
R222  36/1%  [EIA-0402]  47.25 19.03 270 top
R223  36/1%  [EIA-0402]  48.52 19.03 270 top
R224  36/1%  [EIA-0402]  49.79 19.03 270 top
R225  36/1%  [EIA-0402]  51.06 19.03 270 top
R226  36/1%  [EIA-0402]  52.33 19.03 270 top
R227  36/1%  [EIA-0402]  53.6 19.03 270 top
R228  36/1%  [EIA-0402]  54.87 19.03 270 top
R229  0  [EIA-0402]  29.62 17.09 270 top
R230  10K  [EIA-0402]  30.84 17.09 270 top
R231  0 E  [R2512]  52.11 15.44 0 top
R232  10K/1%  [EIA-0402]  109.53 15.21 90 top
